# Altium PCB PCB_3U_DDS.PcbDoc (part 9 of 12) (continued)
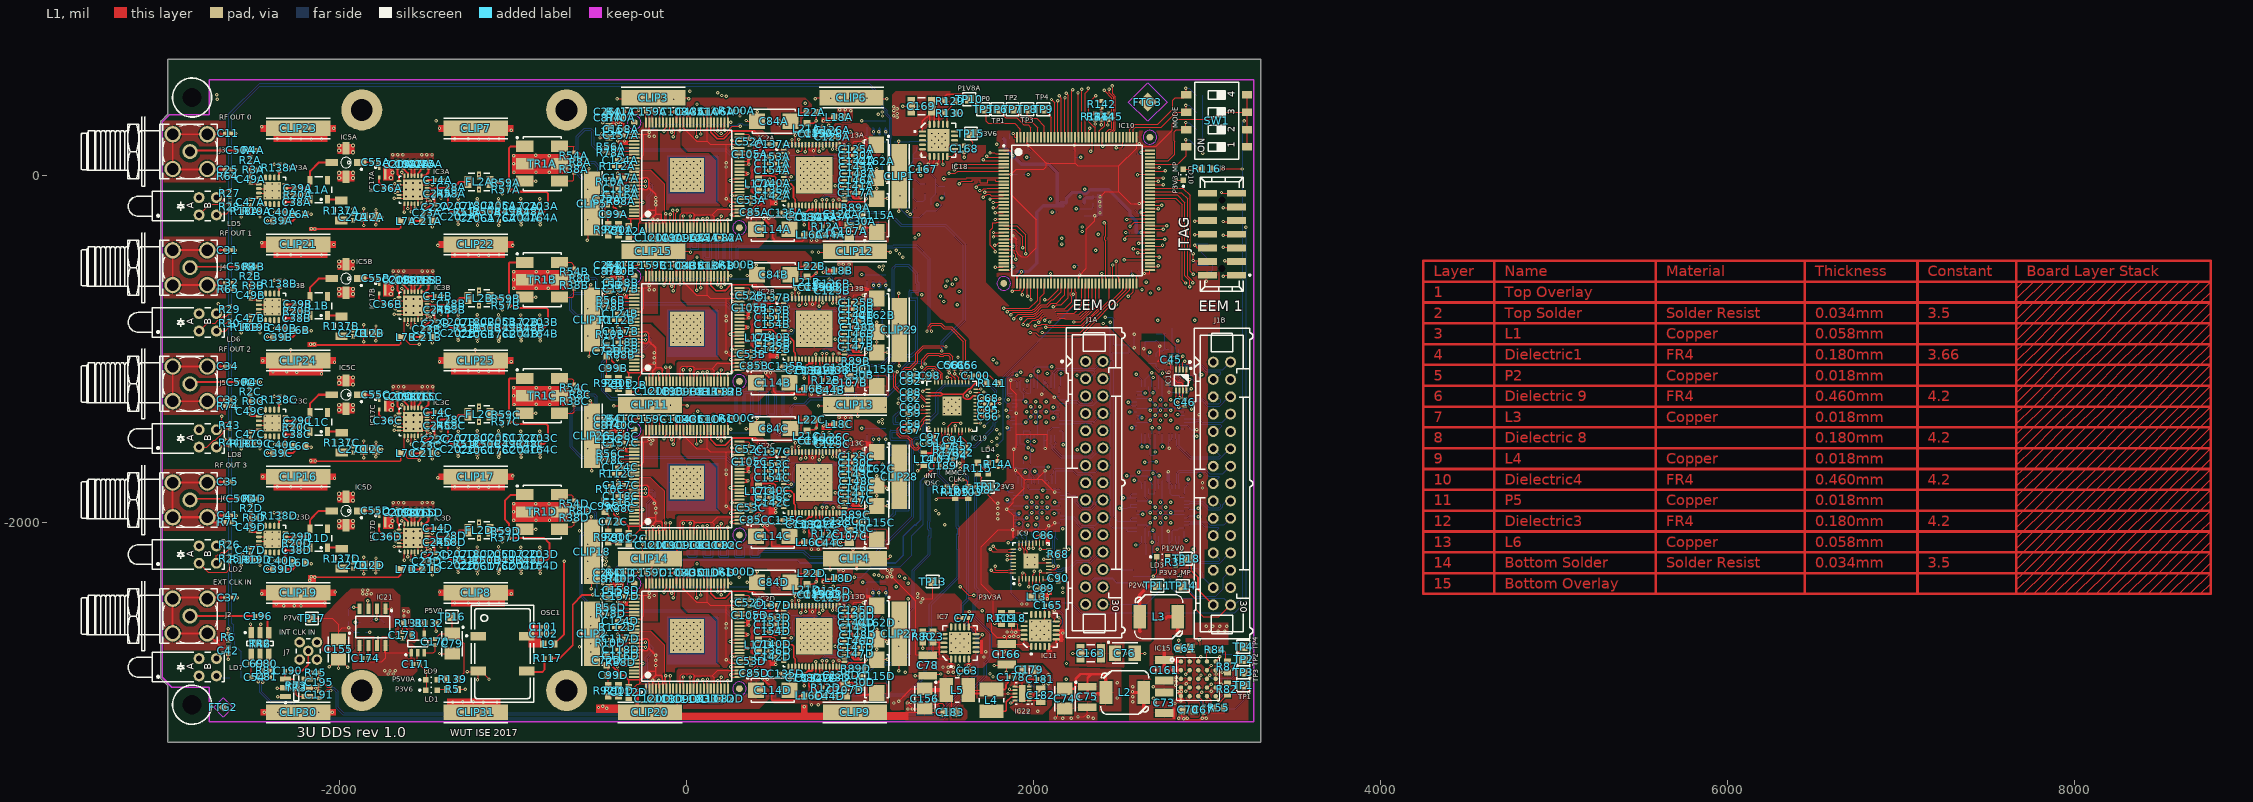
[diagram p0: L1 view]
## Nets (pads, with @x,y where several pads share a name; then routed paths per layer and width w, separated by ;. In a path a pad name is that pad's centre, name@x,y a point inside that pad or via, vN(x,y) a via of type N, cw(c..) or ccw(c..) an arc to the next point about the centre after c; other vN are vias at no path point) (continued)
P1V8_AVDDB: C135B.2 C136B.2 C138B.2 C140B.2 IC13B.11 IC13B.19 IC13B.23 IC13B.24 L17B.1 | length 712.4
  L1 w5: L17B.1@413.86,-905.33 429.36,-889.83 470.01,-889.83 ; C136B.2@512.57,-969.83 512.57,-933.98 C140B.2@513.39,-933.17 ; IC13B.23@704.33,-1074.8 IC13B.23@704.33,-1061.02
  L1 w10: L17B.1@429.36,-889.83 431.09,-891.56 468.28,-891.56 470.01,-889.83 470.13,-889.71 486.57,-889.71 488.42,-891.56 491.85,-891.56 513.39,-913.09 C140B.2@513.39,-933.17 ; C136B.2@512.57,-969.83 513.39,-969.02 C140B.2@513.39,-933.17 ; C135B.2@588.57,-1102.83 625.59,-1102.83 ; IC13B.23@704.33,-1074.8 704.33,-1086.12 ; IC13B.24@724.02,-1061.02 724.02,-1086.12 720.2,-1086.12 718.87,-1084.79 717.54,-1086.12 704.33,-1086.12 ; C140B.2@513.39,-933.17 558.66,-933.17 576.2,-933.17 576.65,-933.63 591.99,-933.63 601.35,-942.98 602.08,-942.98 616.14,-957.05 616.14,-1016.83 625.59,-1026.28 IC13B.19@625.59,-1061.02 625.59,-1102.83 ; 625.59,-1102.83 669.65,-1102.83 C138B.2@675.2,-1108.37 688.78,-1094.79 695.66,-1094.79 704.33,-1086.12
P1V8_AVDDC: C135C.2 C136C.2 C138C.2 C140C.2 IC13C.11 IC13C.19 IC13C.23 IC13C.24 L17C.1 | length 799.1
  L1 w5: L17C.1@413.86,-1791.16 429.36,-1775.65 470.01,-1775.65 486.68,-1775.65 487.57,-1775.65 488.77,-1776.85 502.06,-1776.85 513.39,-1788.18 C140C.2@513.39,-1818.3 ; C135C.2@590.16,-1994.2 625.59,-1994.2
  L1 w10: L17C.1@426.87,-1778.79 428.28,-1777.39 468.28,-1777.39 470.01,-1775.65 470.13,-1775.54 486.57,-1775.54 486.68,-1775.65 488.42,-1777.39 501.47,-1777.39 510.87,-1786.79 510.87,-1816.49 C140C.2@512.87,-1818.49 ; C136C.2@511.87,-1858.79 512.87,-1857.79 512.87,-1855.65 512.87,-1819 C140C.2@512.87,-1818.49 ; C140C.2@513.39,-1819 C140C.2@512.87,-1818.49 ; C135C.2@588.57,-1988.65 625.59,-1988.65 ; 702.87,-1969.79 702.87,-1970.49 704.11,-1971.72 ; IC13C.23@704.33,-1946.85 704.33,-1971.72 ; IC13C.24@725.87,-1947.79 725.41,-1948.25 722.87,-1950.79 722.87,-1965.79 716.94,-1971.72 704.33,-1971.72 ; C140C.2@512.87,-1818.49 512.87,-1817.79 513.39,-1818.3 513.74,-1818.65 514.87,-1819.79 558.66,-1819.79 599.87,-1819.79 617.87,-1837.79 617.87,-1893.79 625.59,-1901.5 IC13C.19@625.59,-1946.85 625.59,-1988.65 ; 625.59,-1988.65 673.74,-1988.65 673.87,-1988.79 675.2,-1988.79 684.87,-1988.79 701.94,-1971.72 704.11,-1971.72 ; 704.11,-1971.72 704.33,-1971.72
P1V8_AVDDD: C135D.2 C136D.2 C138D.2 C140D.2 IC13D.11 IC13D.19 IC13D.23 IC13D.24 L17D.1 | length 668.9
  L1 w5: L17D.1@413.86,-2676.98 L17D.1@429.36,-2661.48 ; 486.82,-2661.48 487.57,-2661.48 488.77,-2662.68 502.06,-2662.68 513.39,-2674.01 C140D.2@513.39,-2704.83 ; C140D.2@514.87,-2706.32 C140D.2@515.25,-2706.69 ; IC13D.11@558.66,-2706.69 IC13D.11@565.87,-2706.69 ; C135D.2@590.16,-2880.02 625.59,-2880.02 ; 625.59,-2874.48 625.59,-2871.07
  L1 w10: L17D.1@429.36,-2661.48 430.06,-2660.79 486.13,-2660.79 486.82,-2661.48 ; C136D.2@514.87,-2739.79 C140D.2@514.87,-2706.32 ; C140D.2@516.87,-2703.79 519.78,-2706.69 IC13D.11@558.66,-2706.69 ; IC13D.11@565.87,-2707.79 606.87,-2707.79 615.87,-2716.79 615.87,-2780.79 625.59,-2790.5 IC13D.19@625.59,-2832.68 625.59,-2871.07 ; C135D.2@588.57,-2874.48 625.59,-2874.48 675.2,-2874.48 682.18,-2874.48 698.89,-2857.77 704.33,-2857.77 IC13D.23@704.33,-2832.68 ; 704.35,-2857.79 721.87,-2857.79 723.87,-2855.79 723.87,-2832.82 IC13D.24@724.02,-2832.68
P1V8_CLK_VDDA: C30A.1 C44A.1 C72A.1 C99A.1 C107A.1 C112A.1 C115A.1 C116A.2 C117A.2 C118A.2 C119A.2 C120A.2 C127A.2 C128A.2 C133A.2 C134A.2 IC2A.3 IC2A.6 IC2A.89 IC2A.92 IC13A.25 IC13A.26 IC13A.29 IC13A.30 L16A.1 | length 2304.4
  L1 w8: C72A.1@-462.6,-106.3 -461.61,-107.28 -423.23,-145.67 -423.23,-187.01 -422.39,-187.85 -412.61,-187.85 -398.62,-201.84 C99A.1@-398.62,-216.54 ; C99A.1@-391.73,-226.38 -362.2,-226.38 -336.81,-251.77 -336.81,-252.11 ; C116A.2@-363.39,-114.28 C118A.2@-363.39,-78.84 -363.28,-78.74 IC2A.92@-303.15,-78.74 -250.48,-78.74 -246.4,-82.82 -229.98,-82.82 -218.36,-71.2 ; C117A.2@-362.2,-14.87 -357.39,-19.69 IC2A.89@-303.15,-19.69 -250.48,-19.69 -246.4,-15.61 -229.98,-15.61 -218.36,-27.22 -218.36,-71.2 ; -342.66,-246.26 -336.81,-252.11 ; C112A.1@-324.8,-293.31 -324.8,-252.11 ; C120A.2@-205.71,-363.19 -205.71,-361.32 -205.71,-350.37 -196.85,-341.51 IC2A.3@-196.85,-303.15 v1(-196.85,-254.04) -196.85,-242.23 -179.13,-224.51 ; C119A.2@-131.89,-363.19 -137.25,-357.83 -138.78,-356.3 -138.78,-304.13 IC2A.6@-137.8,-303.15 -137.8,-263.38 -137.65,-263.24 -147.64,-253.25 -147.64,-224.51 -179.13,-224.51 ; v1(743.7,-147.16) IC13A.25@743.7,-175.2 743.7,-210.73 C134A.2@729.92,-224.51 ; IC13A.26@763.39,-175.2 763.39,-188.98 765.35,-190.94 C127A.2@765.35,-224.51 C134A.2@729.92,-224.51 ; IC13A.29@822.44,-188.98 IC13A.29@822.44,-175.2 822.83,-175.59 822.83,-199.79 ; 822.83,-200.13 822.83,-199.79 ; v1(842.86,-145) 842.13,-145.73 IC13A.30@842.13,-175.2 C133A.2@842.13,-221.56 ; C115A.1@1095.28,-328.84 1087.4,-336.72 1053.94,-303.25 1003.94,-303.25 935.04,-303.25 892.72,-303.25 880.91,-291.44 ; -336.81,-252.11 -324.8,-252.11 ; -324.8,-252.11 -268.74,-252.11 -219.49,-202.86 -179.13,-202.86 ; -218.36,-71.2 -179.13,-110.44 v1(-179.13,-128.79) -179.13,-149.7 v1(-179.13,-169.79) -179.13,-202.85 ; -179.13,-224.51 -179.13,-202.86 ; C134A.2@729.92,-224.51 707.68,-224.51 702.76,-229.43 702.76,-308.17 L16A.1@739.17,-344.59 796.47,-344.59 800.2,-344.59 827.22,-317.57 833.85,-317.57 839.12,-312.29 839.12,-305.67 846.31,-298.47 873.87,-298.47 880.91,-291.44 ; 822.83,-199.79 821.36,-201.27 836.61,-216.53 C133A.2@836.61,-221.56 C133A.2@842.13,-221.56 ; C133A.2@842.13,-221.56 873.03,-221.56 874.51,-223.04 876.97,-225.5 876.97,-263.88 880.91,-267.82 880.91,-291.44
  L4 w8: v1@742.03,-148.83 v1(743.7,-147.16)
  other v1: 718.5,-376.09 748.03,-376.09 -167.32,-257.98 -179.13,-149.71
P1V8_CLK_VDDB: C30B.1 C44B.1 C72B.1 C99B.1 C107B.1 C112B.1 C115B.1 C116B.2 C117B.2 C118B.2 C119B.2 C120B.2 C127B.2 C128B.2 C133B.2 C134B.2 IC2B.3 IC2B.6 IC2B.89 IC2B.92 IC13B.25 IC13B.26 IC13B.29 IC13B.30 L16B.1 | length 2344.2
  L1 w8: C72B.1@-462.6,-982.28 -461.61,-983.27 -433.91,-1010.97 -433.91,-1070.02 C99B.1@-391.73,-1112.2 -362.55,-1112.2 -336.81,-1137.94 ; C116B.2@-363.39,-1000.1 C118B.2@-363.39,-964.67 -363.28,-964.57 IC2B.92@-303.15,-964.57 -250.48,-964.57 -246.4,-968.65 -229.98,-968.65 -218.36,-957.03 ; C117B.2@-362.2,-900.69 -357.39,-905.51 IC2B.89@-303.15,-905.51 -250.48,-905.51 -246.4,-901.43 -229.98,-901.43 -218.36,-913.05 -218.36,-957.03 ; C112B.1@-334.65,-1179.13 -334.65,-1140.1 -336.81,-1137.94 ; C120B.2@-205.71,-1249.02 -205.71,-1247.15 -205.71,-1232.37 -196.85,-1223.51 IC2B.3@-196.85,-1188.98 -196.85,-1128.06 -179.13,-1110.34 ; C119B.2@-131.89,-1249.02 -137.25,-1243.65 -138.78,-1242.13 -138.78,-1189.96 IC2B.6@-137.8,-1188.98 -137.8,-1149.2 -137.65,-1149.06 -137.65,-1148.35 -140.97,-1145.04 -140.97,-1128.61 -137.65,-1125.3 -137.65,-1120.32 -147.64,-1110.34 -179.13,-1110.34 ; v1(743.7,-1032.98) IC13B.25@743.7,-1061.02 743.7,-1096.56 C134B.2@729.92,-1110.34 ; IC13B.26@763.39,-1061.02 763.39,-1074.8 765.35,-1076.77 C127B.2@765.35,-1110.34 C134B.2@729.92,-1110.34 ; IC13B.29@822.44,-1074.8 IC13B.29@822.44,-1061.02 822.83,-1061.42 822.83,-1085.62 818.84,-1089.61 C133B.2@836.61,-1107.39 C133B.2@842.13,-1107.39 ; v1(842.86,-1030.83) 842.13,-1031.56 IC13B.30@842.13,-1061.02 C133B.2@842.13,-1107.39 ; C115B.1@1095.28,-1214.67 1087.4,-1222.54 981.3,-1222.54 981.3,-1195.79 899.43,-1195.79 880.91,-1177.27 ; -336.81,-1137.94 -268.74,-1137.94 -219.49,-1088.69 -187.01,-1088.69 -179.13,-1088.69 ; -218.36,-957.03 -179.13,-996.26 -179.13,-1023.62 -179.13,-1053.15 -179.13,-1082.68 -179.13,-1088.69 ; -179.13,-1110.34 -179.13,-1088.69 ; C134B.2@729.92,-1110.34 707.68,-1110.34 702.76,-1115.26 702.76,-1205.88 703.88,-1207 703.88,-1223.43 710.87,-1230.42 L16B.1@739.17,-1230.42 797.24,-1230.42 810.68,-1230.42 852.19,-1188.91 856.8,-1184.3 873.87,-1184.3 880.91,-1177.27 ; C133B.2@842.13,-1107.39 873.03,-1107.39 874.51,-1108.86 876.97,-1111.32 876.97,-1149.71 880.91,-1153.65 880.91,-1177.27
  other v1: 718.5,-1261.91 757.87,-1261.91 856.3,-1193.02 -187.01,-1082.68 -187.01,-1053.15 -187.01,-1023.62
P1V8_CLK_VDDC: C30C.1 C44C.1 C72C.1 C99C.1 C107C.1 C112C.1 C115C.1 C116C.2 C117C.2 C118C.2 C119C.2 C120C.2 C127C.2 C128C.2 C133C.2 C134C.2 IC2C.3 IC2C.6 IC2C.89 IC2C.92 IC13C.25 IC13C.26 IC13C.29 IC13C.30 L16C.1 | length 2335.9
  L1 w8: C99C.1@-472.44,-1877.95 -420.02,-1930.37 -420.02,-1955.15 -407.41,-1967.76 -394.44,-1967.76 -391.73,-1970.47 C72C.1@-391.73,-1998.03 ; C72C.1@-403.54,-1998.03 C72C.1@-393.7,-1998.03 C72C.1@-391.73,-1998.03 ; C116C.2@-363.39,-1885.93 C118C.2@-363.39,-1850.5 -363.28,-1850.39 IC2C.92@-303.15,-1850.39 -250.48,-1850.39 -246.4,-1854.47 -229.98,-1854.47 -218.36,-1842.86 ; C117C.2@-362.2,-1786.52 -357.39,-1791.34 IC2C.89@-303.15,-1791.34 -250.48,-1791.34 -246.4,-1787.26 -229.98,-1787.26 -218.36,-1798.87 -218.36,-1842.86 ; C112C.1@-334.65,-2064.96 -334.65,-2025.93 -336.81,-2023.76 ; C120C.2@-205.71,-2134.84 -205.71,-2132.98 -205.71,-2120.37 -196.85,-2111.51 IC2C.3@-196.85,-2074.8 v1(-196.85,-2025.69) -196.85,-2013.88 -179.13,-1996.17 ; C119C.2@-131.89,-2134.84 -137.25,-2129.48 -138.78,-2127.95 -138.78,-2075.79 IC2C.6@-137.8,-2074.8 -137.8,-2035.03 -137.65,-2034.89 -137.65,-2034.35 -140.97,-2031.04 -140.97,-2014.61 -140.44,-2014.08 -140.44,-2003.37 -147.64,-1996.17 -179.13,-1996.17 ; v1(743.7,-1918.81) IC13C.25@743.7,-1946.85 743.7,-1982.39 C134C.2@729.92,-1996.17 ; IC13C.26@763.39,-1946.85 763.39,-1960.63 765.35,-1962.6 C127C.2@765.35,-1996.17 C134C.2@729.92,-1996.17 ; IC13C.29@822.44,-1960.63 IC13C.29@822.44,-1946.85 822.83,-1947.24 822.83,-1971.45 ; 822.83,-1971.78 822.83,-1971.45 ; v1(842.86,-1916.65) 842.13,-1917.39 IC13C.30@842.13,-1946.85 C133C.2@842.13,-1993.21 ; C115C.1@1095.28,-2100.5 1087.4,-2108.37 1065.65,-2086.61 994.09,-2086.61 904.43,-2086.61 880.91,-2063.09 ; C72C.1@-391.73,-1998.03 -360.34,-1998.03 -342.66,-2015.71 -342.66,-2017.92 -336.81,-2023.76 ; -336.81,-2023.76 -268.74,-2023.76 -219.49,-1974.51 -179.13,-1974.51 ; -218.36,-1842.86 -179.13,-1882.09 -179.13,-1891.83 v1(-179.13,-1920.95) v1(-179.13,-1947.73) -179.13,-1974.51 ; -179.13,-1996.17 -179.13,-1974.51 ; C134C.2@729.92,-1996.17 707.68,-1996.17 702.76,-2001.09 702.76,-2058.25 720.54,-2076.03 727.5,-2076.03 739.17,-2087.7 L16C.1@739.17,-2116.24 795.28,-2116.24 800.2,-2116.24 827.22,-2089.22 839.12,-2089.22 839.12,-2077.32 846.31,-2070.13 873.87,-2070.13 880.91,-2063.09 ; 822.83,-1971.45 818.84,-1975.44 C133C.2@836.61,-1993.21 C133C.2@842.13,-1993.21 ; C133C.2@842.13,-1993.21 873.03,-1993.21 874.51,-1994.69 876.97,-1997.15 876.97,-2035.54 880.91,-2039.47 880.91,-2063.09
  other v1: 718.5,-2157.58 757.87,-2157.58 -187.01,-1891.83
P1V8_CLK_VDDD: C30D.1 C44D.1 C72D.1 C99D.1 C107D.1 C112D.1 C115D.1 C116D.2 C117D.2 C118D.2 C119D.2 C120D.2 C127D.2 C128D.2 C133D.2 C134D.2 IC2D.3 IC2D.6 IC2D.89 IC2D.92 IC13D.25 IC13D.26 IC13D.29 IC13D.30 L16D.1 | length 2402.8
  L1 w8: C72D.1@-462.6,-2763.78 -461.61,-2764.76 -433.07,-2793.31 -433.07,-2827.93 -407.41,-2853.59 -394.44,-2853.59 -391.73,-2856.3 C99D.1@-391.73,-2883.86 -360.34,-2883.86 -342.66,-2901.54 -342.66,-2903.74 -336.81,-2909.59 ; C116D.2@-363.39,-2771.76 C118D.2@-363.39,-2736.32 -363.28,-2736.22 IC2D.92@-303.15,-2736.22 -250.48,-2736.22 -246.4,-2740.3 -229.98,-2740.3 -218.36,-2728.68 ; C117D.2@-362.2,-2672.35 -357.39,-2677.17 IC2D.89@-303.15,-2677.17 -250.48,-2677.17 -246.4,-2673.09 -229.98,-2673.09 -218.36,-2684.7 -218.36,-2728.68 ; C112D.1@-334.65,-2950.79 -334.65,-2911.76 -336.81,-2909.59 ; C120D.2@-205.71,-3020.67 -205.71,-3018.8 -205.71,-3006.37 -196.85,-2997.51 IC2D.3@-196.85,-2960.63 v1(-196.85,-2911.52) -196.85,-2899.71 -179.13,-2881.99 ; C119D.2@-131.89,-3020.67 -137.25,-3015.31 -138.78,-3013.78 -138.78,-2961.61 IC2D.6@-137.8,-2960.63 -137.8,-2920.86 -137.65,-2920.72 -137.65,-2912.35 -140.97,-2909.04 -140.97,-2888.66 -147.64,-2881.99 -179.13,-2881.99 ; v1(743.7,-2804.64) IC13D.25@743.7,-2832.68 743.7,-2868.21 C134D.2@729.92,-2881.99 ; IC13D.26@763.39,-2832.68 763.39,-2846.46 765.35,-2848.43 C127D.2@765.35,-2881.99 C134D.2@729.92,-2881.99 ; IC13D.29@822.44,-2846.46 IC13D.29@822.44,-2832.68 822.83,-2833.07 822.83,-2857.27 ; 823.87,-2864.79 822.83,-2863.75 822.83,-2857.27 ; v1(842.86,-2802.48) 842.13,-2803.21 IC13D.30@842.13,-2832.68 C133D.2@842.13,-2879.04 ; 880.54,-2905.99 880.54,-2907.54 ; C107D.1@915.35,-2931.1 913.94,-2932.51 897.54,-2948.92 887,-2948.92 887,-2932.57 887,-2914 880.54,-2907.54 ; 962.6,-2931.1 981.3,-2949.8 981.3,-2954.5 981.3,-2994.2 1087.4,-2994.2 C115D.1@1095.28,-2986.32 ; -336.81,-2909.59 -268.74,-2909.59 -219.49,-2860.34 -179.13,-2860.34 ; -218.36,-2728.68 v1(-179.13,-2767.91) v1(-179.13,-2797.35) v1(-179.13,-2826.87) -179.13,-2860.34 ; -179.13,-2881.99 -179.13,-2860.34 ; C134D.2@729.92,-2881.99 707.68,-2881.99 702.76,-2886.91 702.76,-2944.07 720.54,-2961.86 727.5,-2961.86 739.17,-2973.53 L16D.1@739.17,-3002.07 795.28,-3002.07 800.2,-3002.07 827.22,-2975.05 833.85,-2975.05 839.12,-2969.78 839.12,-2963.15 846.31,-2955.95 873.87,-2955.95 880.54,-2949.29 880.54,-2907.54 ; 822.83,-2857.27 820.41,-2859.7 820.41,-2862.83 C133D.2@836.61,-2879.04 C133D.2@842.13,-2879.04 ; C133D.2@842.13,-2879.04 873.03,-2879.04 874.51,-2880.52 876.97,-2882.98 876.97,-2903.97 880.54,-2907.54
  L1 w19.68: C107D.1@915.35,-2931.1 962.6,-2931.1
  other v1: 718.5,-3053.25 757.87,-3053.25
P1V8_DACCLKA: C143A.2 C144A.2 IC13A.44 IC13A.45 L19A.1 | length 271.4
  L1 w5: IC13A.44@909.06,68.9 934.15,68.9 934.15,76.49 v1(935.87,78.21) 936.3,78.64 958.27,78.64 955.51,75.88 955.51,44.21 C143A.2@955.51,43.2 ; IC13A.45@909.06,88.58 933.86,88.58
  L1 w6: 933.86,88.58 935.87,86.57 v1(935.87,78.21)
  L6 w6: v1(935.87,78.21) 935.87,73.57 949.64,59.81 1056.76,59.81 L19A.1@1063.78,66.83
P1V8_DACCLKB: C143B.2 C144B.2 IC13B.44 IC13B.45 L19B.1 | length 271.3
  L1 w5: IC13B.44@909.06,-816.93 934.15,-816.93 934.15,-809.51 v1(935.87,-807.79) 936.47,-807.19 C144B.2@958.27,-807.19 955.51,-809.94 955.51,-841.83 C143B.2@955.51,-842.62 ; IC13B.45@909.06,-797.24 933.86,-797.24
  L1 w6: 933.86,-797.24 935.87,-799.26 v1(935.87,-807.79)
  L6 w6: v1(935.87,-807.79) 935.87,-812.25 949.64,-826.02 1027.48,-826.02 1034.5,-819 L19B.1@1063.78,-819
P1V8_DACCLKC: C143C.2 C144C.2 IC13C.44 IC13C.45 L19C.1 | length 271.3
  L1 w5: IC13C.44@909.06,-1702.76 933.86,-1702.76 934.15,-1702.76 934.15,-1696.35 v1(933.86,-1696.06) 936.91,-1693.02 C144C.2@958.27,-1693.02 955.51,-1695.77 955.51,-1727.24 C143C.2@955.51,-1728.45 ; IC13C.45@909.06,-1683.07 933.86,-1683.07
  L1 w6: v1(933.86,-1696.06) 933.86,-1683.07
  L6 w6: v1(933.86,-1696.06) 949.64,-1711.84 1027.48,-1711.84 1034.5,-1704.83 L19C.1@1063.78,-1704.83
P1V8_DACCLKD: C143D.2 C144D.2 IC13D.44 IC13D.45 L19D.1 | length 271.3
  L1 w5: IC13D.44@909.06,-2588.58 933.86,-2588.58 934.15,-2588.58 934.15,-2582.18 v1(933.86,-2581.89) 936.91,-2578.84 C144D.2@958.27,-2578.84 955.51,-2581.6 955.51,-2610.34 C143D.2@955.51,-2614.28 ; IC13D.45@909.06,-2568.9 933.86,-2568.9
  L1 w6: v1(933.86,-2581.89) 933.86,-2568.9
  L6 w6: v1(933.86,-2581.89) 949.64,-2597.67 1027.48,-2597.67 1034.5,-2590.65 L19D.1@1063.78,-2590.65
P1V8_DACDECA: C149A.2 C150A.2 IC13A.53 L21A.1 | length 151.1
  L1 w5.98: L21A.1@692.52,236.12 706.3,222.34 C149A.2@743.7,222.34 744.97,223.61 C150A.2@779.16,223.61 C150A.2@779.16,223.61 802.17,200.68 802.17,175.79 IC13A.53@802.76,175.2
P1V8_DACDECB: C149B.2 C150B.2 IC13B.53 L21B.1 | length 151.1
  L1 w5.98: L21B.1@692.52,-649.71 706.3,-663.49 C149B.2@743.7,-663.49 744.97,-662.22 C150B.2@779.16,-662.22 C150B.2@779.16,-662.22 802.17,-685.14 802.17,-710.04 IC13B.53@802.76,-710.63
P1V8_DACDECC: C149C.2 C150C.2 IC13C.53 L21C.1 | length 151.1
  L1 w5.98: L21C.1@692.52,-1535.54 706.3,-1549.31 C149C.2@743.7,-1549.31 744.97,-1548.05 C150C.2@779.16,-1548.05 C150C.2@779.16,-1548.05 802.17,-1570.97 802.17,-1595.87 IC13C.53@802.76,-1596.46
P1V8_DACDECD: C149D.2 C150D.2 IC13D.53 L21D.1 | length 151.1
  L1 w5.98: L21D.1@692.52,-2421.36 706.3,-2435.14 C149D.2@743.7,-2435.14 744.97,-2433.87 C150D.2@779.16,-2433.87 C150D.2@779.16,-2433.87 802.17,-2456.8 802.17,-2481.69 IC13D.53@802.76,-2482.28
P1V8_DRVA: C146A.2 C147A.2 C148A.2 IC13A.36 IC13A.42 L20A.1 R93A.2 | length 345.2
  L1 w5: IC13A.36@909.06,-88.58 934.15,-88.58 938.19,-92.62 938.19,-92.79 ; IC13A.42@909.06,29.53 934.15,29.53 935.86,27.82 v1@935.86,26 ; v1@941.86,14.73 948.82,7.77 955.51,7.77 C146A.2@955.51,-27.66 ; C147A.2@955.71,-102.79 C147A.2@955.71,-102.46 C147A.2@958.27,-102.46
  L1 w19: 935.63,-92.79 938.19,-92.79 946.03,-92.79 C147A.2@955.71,-102.46 ; C147A.2@954.87,-102.79 954.87,-122.79 963.09,-131 v1(1003.86,-131)
  L6 w5: v1(1003.86,-131) v1@1011.93,-131
  L6 w6: v1@942.86,15 954.02,3.83 L20A.1@1063.78,3.83
  other v1: 938.87,19.21
P1V8_DRVB: C146B.2 C147B.2 C148B.2 IC13B.36 IC13B.42 L20B.1 R93B.2 | length 389.4
  L1 w5: IC13B.36@909.06,-974.41 934.15,-974.41 938.19,-978.45 ; IC13B.42@909.06,-856.3 934.15,-856.3 935.22,-857.38 935.22,-864.46 941.92,-864.46 945.57,-868.11 955.51,-878.06 C146B.2@955.51,-913.49
  L1 w19: C147B.2@945.87,-983.79 951.87,-983.79 956.04,-987.96 956.87,-988.79 956.87,-1010.79 962.91,-1016.83 v1(1003.86,-1016.83)
  L6 w5: v1(1003.86,-1016.83) 1003.86,-1000.8 1013.31,-991.35 R93B.2@1037.4,-991.35
  L6 w6: v1(942.86,-870.83) 954.02,-881.99 L20B.1@1063.78,-881.99
P1V8_DRVC: C146C.2 C147C.2 C148C.2 IC13C.36 IC13C.42 L20C.1 R93C.2 | length 385.5
  L1 w5: IC13C.36@909.06,-1860.24 934.15,-1860.24 937.79,-1863.87 ; IC13C.42@909.06,-1742.13 934.15,-1742.13 934.15,-1747.94 v1(942.86,-1756.65) C148C.2@955.85,-1756.65 ; 938.19,-1874.12 C147C.2@952.2,-1874.12 ; C146C.2@955.51,-1799.32 955.51,-1770.58 955.85,-1770.91 955.85,-1764.24 C148C.2@955.85,-1756.65 ; C148C.2@964.68,-1762.45 958.88,-1756.65 C148C.2@955.85,-1756.65
  L1 w19: 937.87,-1863.79 941.87,-1863.79 952.2,-1874.12 953.87,-1875.79 953.87,-1900.79 955.74,-1902.65 v1(1003.86,-1902.65)
  L6 w5: v1(1003.86,-1902.65) v1@1007.86,-1902.65 ; R93C.2@1033.33,-1877.18 R93C.2@1037.4,-1877.18
  L6 w6: v1(942.86,-1756.65) 954.02,-1767.82 L20C.1@1063.78,-1767.82
P1V8_DRVD: C146D.2 C147D.2 C148D.2 IC13D.36 IC13D.42 L20D.1 R93D.2 | length 339.2
  L1 w5: IC13D.36@909.06,-2746.06 934.15,-2746.06 938.19,-2750.1 938.19,-2750.79 ; IC13D.42@909.06,-2627.95 934.15,-2627.95 935.86,-2629.66 v1@935.86,-2631.48 ; 941.86,-2642.75 948.82,-2649.71 955.51,-2649.71 955.51,-2653.65 C146D.2@955.51,-2685.14 ; C147D.2@955.71,-2759.95 C147D.2@958.27,-2759.94
  L1 w19: 939.87,-2750.79 941.87,-2752.79 946.87,-2752.79 954.87,-2760.78 955.87,-2761.79 955.87,-2780.02 957.11,-2780.02 965.57,-2788.48 v1(1003.86,-2788.48)
  L6 w5: v1(1003.86,-2788.48) v1@1007.86,-2788.48 ; R93D.2@1033.33,-2763.01 R93D.2@1037.4,-2763.01
  L6 w6: 942.86,-2642.48 954.02,-2653.65 L20D.1@1063.78,-2653.65
  other v1: 940.87,-2632.79
P1V8_DVDDA: C43A.2 C51A.2 C52A.2 C53A.2 C82A.2 C83A.2 C84A.1 C151A.2 C153A.2 C154A.2 IC2A.17 IC2A.23 IC2A.30 IC2A.47 IC2A.57 IC2A.64 IC13A.3 IC13A.5 IC13A.7 L22A.1 | length 2602.3
  L1 w5.98: C43A.2@4.92,364.07 4.92,361.24 -3.8,352.52 -4.96,352.52 -19.69,337.79 IC2A.64@-19.69,303.15 -19.69,272.07 57.6,194.78 118.11,194.78 ; IC2A.17@78.74,-303.15 78.74,-358.27 C83A.2@82.68,-362.2 82.68,-382.28 83.78,-383.39 206.28,-383.39 224.41,-365.25 C82A.2@224.41,-362.2 224.41,-359.35 196.85,-331.8 IC2A.23@196.85,-303.15 196.85,-238.29 v1(197.83,-237.31) ; C51A.2@118.11,362.21 IC2A.57@118.11,303.15 118.11,194.78 ; v1@227.36,-134.95 v1(227.36,47.14) v1(227.36,72) 227.36,175.2 229.33,177.17 ; v1@227.64,-135.22 249.9,-157.48 IC2A.30@303.15,-157.48 C53A.2@370.08,-157.48 ; C52A.2@359.87,177.17 IC2A.47@303.15,177.17 229.33,177.17 ; v1(533.86,290) 576.32,290 C84A.1@597.24,310.92 648.43,362.1 L22A.1@689.76,362.1 ; IC13A.7@558.66,29.53 v1(531.5,29.53) 511.52,29.53 C154A.2@509.45,27.46 C151A.2@509.45,66.83 ; IC13A.5@558.66,68.9 530.86,68.9 511.52,68.9 C151A.2@509.45,66.83 ; IC13A.3@558.66,108.27 511.52,108.27 C153A.2@509.45,106.2 C151A.2@509.45,66.83 ; 118.11,194.78 135.72,177.17 229.33,177.17
  L3 w5.98: v1(197.83,-237.31) 201.55,-237.31 226.86,-212 v1(226.86,-136)
  L3 w19.68: v1(530.86,70) 530.86,287 v1(533.86,290)
  L4 w19.68: v1(227.36,72) 324.8,72 351.92,99.12 501.74,99.12 v1(530.86,70)
  other v1: 531.5,312.89
P1V8_DVDDB: C43B.2 C51B.2 C52B.2 C53B.2 C82B.2 C83B.2 C84B.1 C151B.2 C153B.2 C154B.2 IC2B.17 IC2B.23 IC2B.30 IC2B.47 IC2B.57 IC2B.64 IC13B.3 IC13B.5 IC13B.7 L22B.1 | length 2629.2
  L1 w5.98: C43B.2@4.92,-521.76 4.92,-524.59 -3.8,-533.31 -4.96,-533.31 -19.69,-548.03 IC2B.64@-19.69,-582.68 -19.69,-613.76 57.6,-691.05 118.11,-691.05 ; IC2B.17@78.74,-1188.98 78.74,-1244.09 C83B.2@82.68,-1248.03 82.68,-1268.11 83.78,-1269.21 205.45,-1269.21 224.41,-1250.25 C82B.2@224.41,-1248.03 224.41,-1245.18 196.85,-1217.62 IC2B.23@196.85,-1188.98 196.85,-1124.12 v1(197.83,-1123.13) ; 118.11,-535.43 IC2B.57@118.11,-582.68 118.11,-691.05 ; v1@227.36,-1020.77 227.36,-838.69 v1(227.36,-813.83) 227.36,-710.63 229.33,-708.66 ; v1@227.64,-1021.05 249.9,-1043.31 IC2B.30@303.15,-1043.31 C53B.2@370.08,-1043.31 ; C52B.2@361.22,-708.66 IC2B.47@303.15,-708.66 229.33,-708.66 ; v1(533.86,-595.83) 576.32,-595.83 C84B.1@597.24,-574.91 648.43,-523.72 L22B.1@689.76,-523.72 ; IC13B.7@558.66,-856.3 v1(531.5,-856.3) 511.52,-856.3 C154B.2@509.45,-858.37 C151B.2@509.45,-819 ; IC13B.5@558.66,-816.93 530.86,-816.93 511.52,-816.93 C151B.2@509.45,-819 ; IC13B.3@558.66,-777.56 511.52,-777.56 C153B.2@509.45,-779.63 C151B.2@509.45,-819 ; 118.11,-691.05 135.72,-708.66 229.33,-708.66
  L3 w5.98: v1(197.83,-1123.13) 201.55,-1123.13 226.86,-1097.83 v1(226.86,-1021.83)
  L3 w19.68: v1(530.86,-815.83) 533.86,-812.83 v1(533.86,-595.83) v1@533.86,-553.25
  L4 w19.68: v1(227.36,-813.83) 248.84,-792.35 507.38,-792.35 v1(530.86,-815.83)
  other v1: 226.38,-838.69 531.5,-553.25
P1V8_DVDDC: C43C.2 C51C.2 C52C.2 C53C.2 C82C.2 C83C.2 C84C.1 C151C.2 C153C.2 C154C.2 IC2C.17 IC2C.23 IC2C.30 IC2C.47 IC2C.57 IC2C.64 IC13C.3 IC13C.5 IC13C.7 L22C.1 | length 2620.4
  L1 w5.98: C43C.2@4.92,-1407.58 4.92,-1410.42 -3.8,-1419.13 -4.96,-1419.13 -19.69,-1433.86 IC2C.64@-19.69,-1468.5 -19.69,-1499.59 57.6,-1576.87 118.11,-1576.87 ; IC2C.17@78.74,-2074.8 78.74,-2129.92 C83C.2@82.68,-2133.86 82.68,-2153.94 83.78,-2155.04 220.62,-2155.04 224.41,-2151.25 C82C.2@224.41,-2133.86 224.41,-2131.01 196.85,-2103.45 IC2C.23@196.85,-2074.8 196.85,-2009.95 v1(197.83,-2008.96) ; 118.11,-1421.26 IC2C.57@118.11,-1468.5 118.11,-1576.87 ; v1@227.36,-1906.6 v1(227.36,-1724.51) v1(227.36,-1699.65) 227.36,-1596.46 229.33,-1594.49 ; v1@227.64,-1906.87 249.9,-1929.13 IC2C.30@303.15,-1929.13 370.08,-1929.13 v1(392.61,-1929.13) ; C52C.2@361.22,-1594.49 IC2C.47@303.15,-1594.49 229.33,-1594.49 ; v1(533.86,-1481.65) 576.32,-1481.65 C84C.1@597.24,-1460.73 648.43,-1409.55 L22C.1@689.76,-1409.55 ; IC13C.7@558.66,-1742.13 v1(535.09,-1742.13) 511.52,-1742.13 C154C.2@509.45,-1744.2 C151C.2@509.45,-1704.83 ; IC13C.5@558.66,-1702.76 530.86,-1702.76 511.52,-1702.76 C151C.2@509.45,-1704.83 ; IC13C.3@558.66,-1663.39 511.52,-1663.39 C153C.2@509.45,-1665.46 C151C.2@509.45,-1704.83 ; 118.11,-1576.87 135.72,-1594.49 229.33,-1594.49
  L3 w5.98: v1(197.83,-2008.96) 201.55,-2008.96 226.86,-1983.65 v1(226.86,-1907.65)
  L3 w19.68: v1(530.86,-1701.65) 530.86,-1484.65 v1(533.86,-1481.65)
  L4 w19.68: v1(227.36,-1699.65) 318.17,-1699.65 342.52,-1675.3 504.5,-1675.3 v1(530.86,-1701.65)
  other v1: 531.5,-1439.08
P1V8_DVDDD: C43D.2 C51D.2 C52D.2 C53D.2 C82D.2 C83D.2 C84D.1 C151D.2 C153D.2 C154D.2 IC2D.17 IC2D.23 IC2D.30 IC2D.47 IC2D.57 IC2D.64 IC13D.3 IC13D.5 IC13D.7 L22D.1 | length 2621
  L1 w5.98: C43D.2@4.92,-2293.41 4.92,-2296.24 -3.8,-2304.96 -4.96,-2304.96 -19.69,-2319.69 IC2D.64@-19.69,-2354.33 -19.69,-2385.41 57.6,-2462.7 118.11,-2462.7 ; IC2D.17@78.74,-2960.63 78.74,-3015.75 C83D.2@82.68,-3019.69 82.68,-3039.76 83.78,-3040.87 205.8,-3040.87 224.41,-3022.25 C82D.2@224.41,-3019.69 224.41,-3016.83 196.85,-2989.28 IC2D.23@196.85,-2960.63 196.85,-2895.77 v1(197.83,-2894.79) ; 118.11,-2307.09 IC2D.57@118.11,-2354.33 118.11,-2462.7 ; v1@227.36,-2792.43 v1(227.36,-2610.34) v1(227.36,-2585.48) 227.36,-2482.28 229.33,-2480.31 ; v1@227.64,-2792.7 249.9,-2814.96 IC2D.30@303.15,-2814.96 370.08,-2814.96 C53D.2@371.87,-2814.96 ; v1(389.25,-2484) 389.25,-2480.57 388.99,-2480.31 361.22,-2480.31 IC2D.47@303.15,-2480.31 229.33,-2480.31 ; v1(533.86,-2367.48) 576.32,-2367.48 C84D.1@597.24,-2346.56 648.43,-2295.38 L22D.1@689.76,-2295.38 ; IC13D.7@558.66,-2627.95 v1(531.5,-2627.95) 511.52,-2627.95 C154D.2@509.45,-2630.02 C151D.2@509.45,-2590.65 ; IC13D.5@558.66,-2588.58 530.86,-2588.58 511.52,-2588.58 C151D.2@509.45,-2590.65 ; IC13D.3@558.66,-2549.21 511.52,-2549.21 C153D.2@509.45,-2551.28 C151D.2@509.45,-2590.65 ; 118.11,-2462.7 135.72,-2480.31 229.33,-2480.31
  L3 w5.98: v1(197.83,-2894.79) 201.55,-2894.79 226.86,-2869.48 v1(226.86,-2793.48)
  L3 w19.68: v1(530.86,-2587.48) 530.86,-2370.48 v1(533.86,-2367.48)
  L4 w19.68: v1(227.36,-2585.48) 331.08,-2585.48 346.65,-2569.91 369.88,-2569.91 370.83,-2570.85 430.76,-2570.85 437.61,-2564 507.38,-2564 v1(530.86,-2587.48)
  other v1: 531.5,-2324.91